# EAGLE board ControlModule-pan2 (EAGLE 7.2.0), part 9 of 9
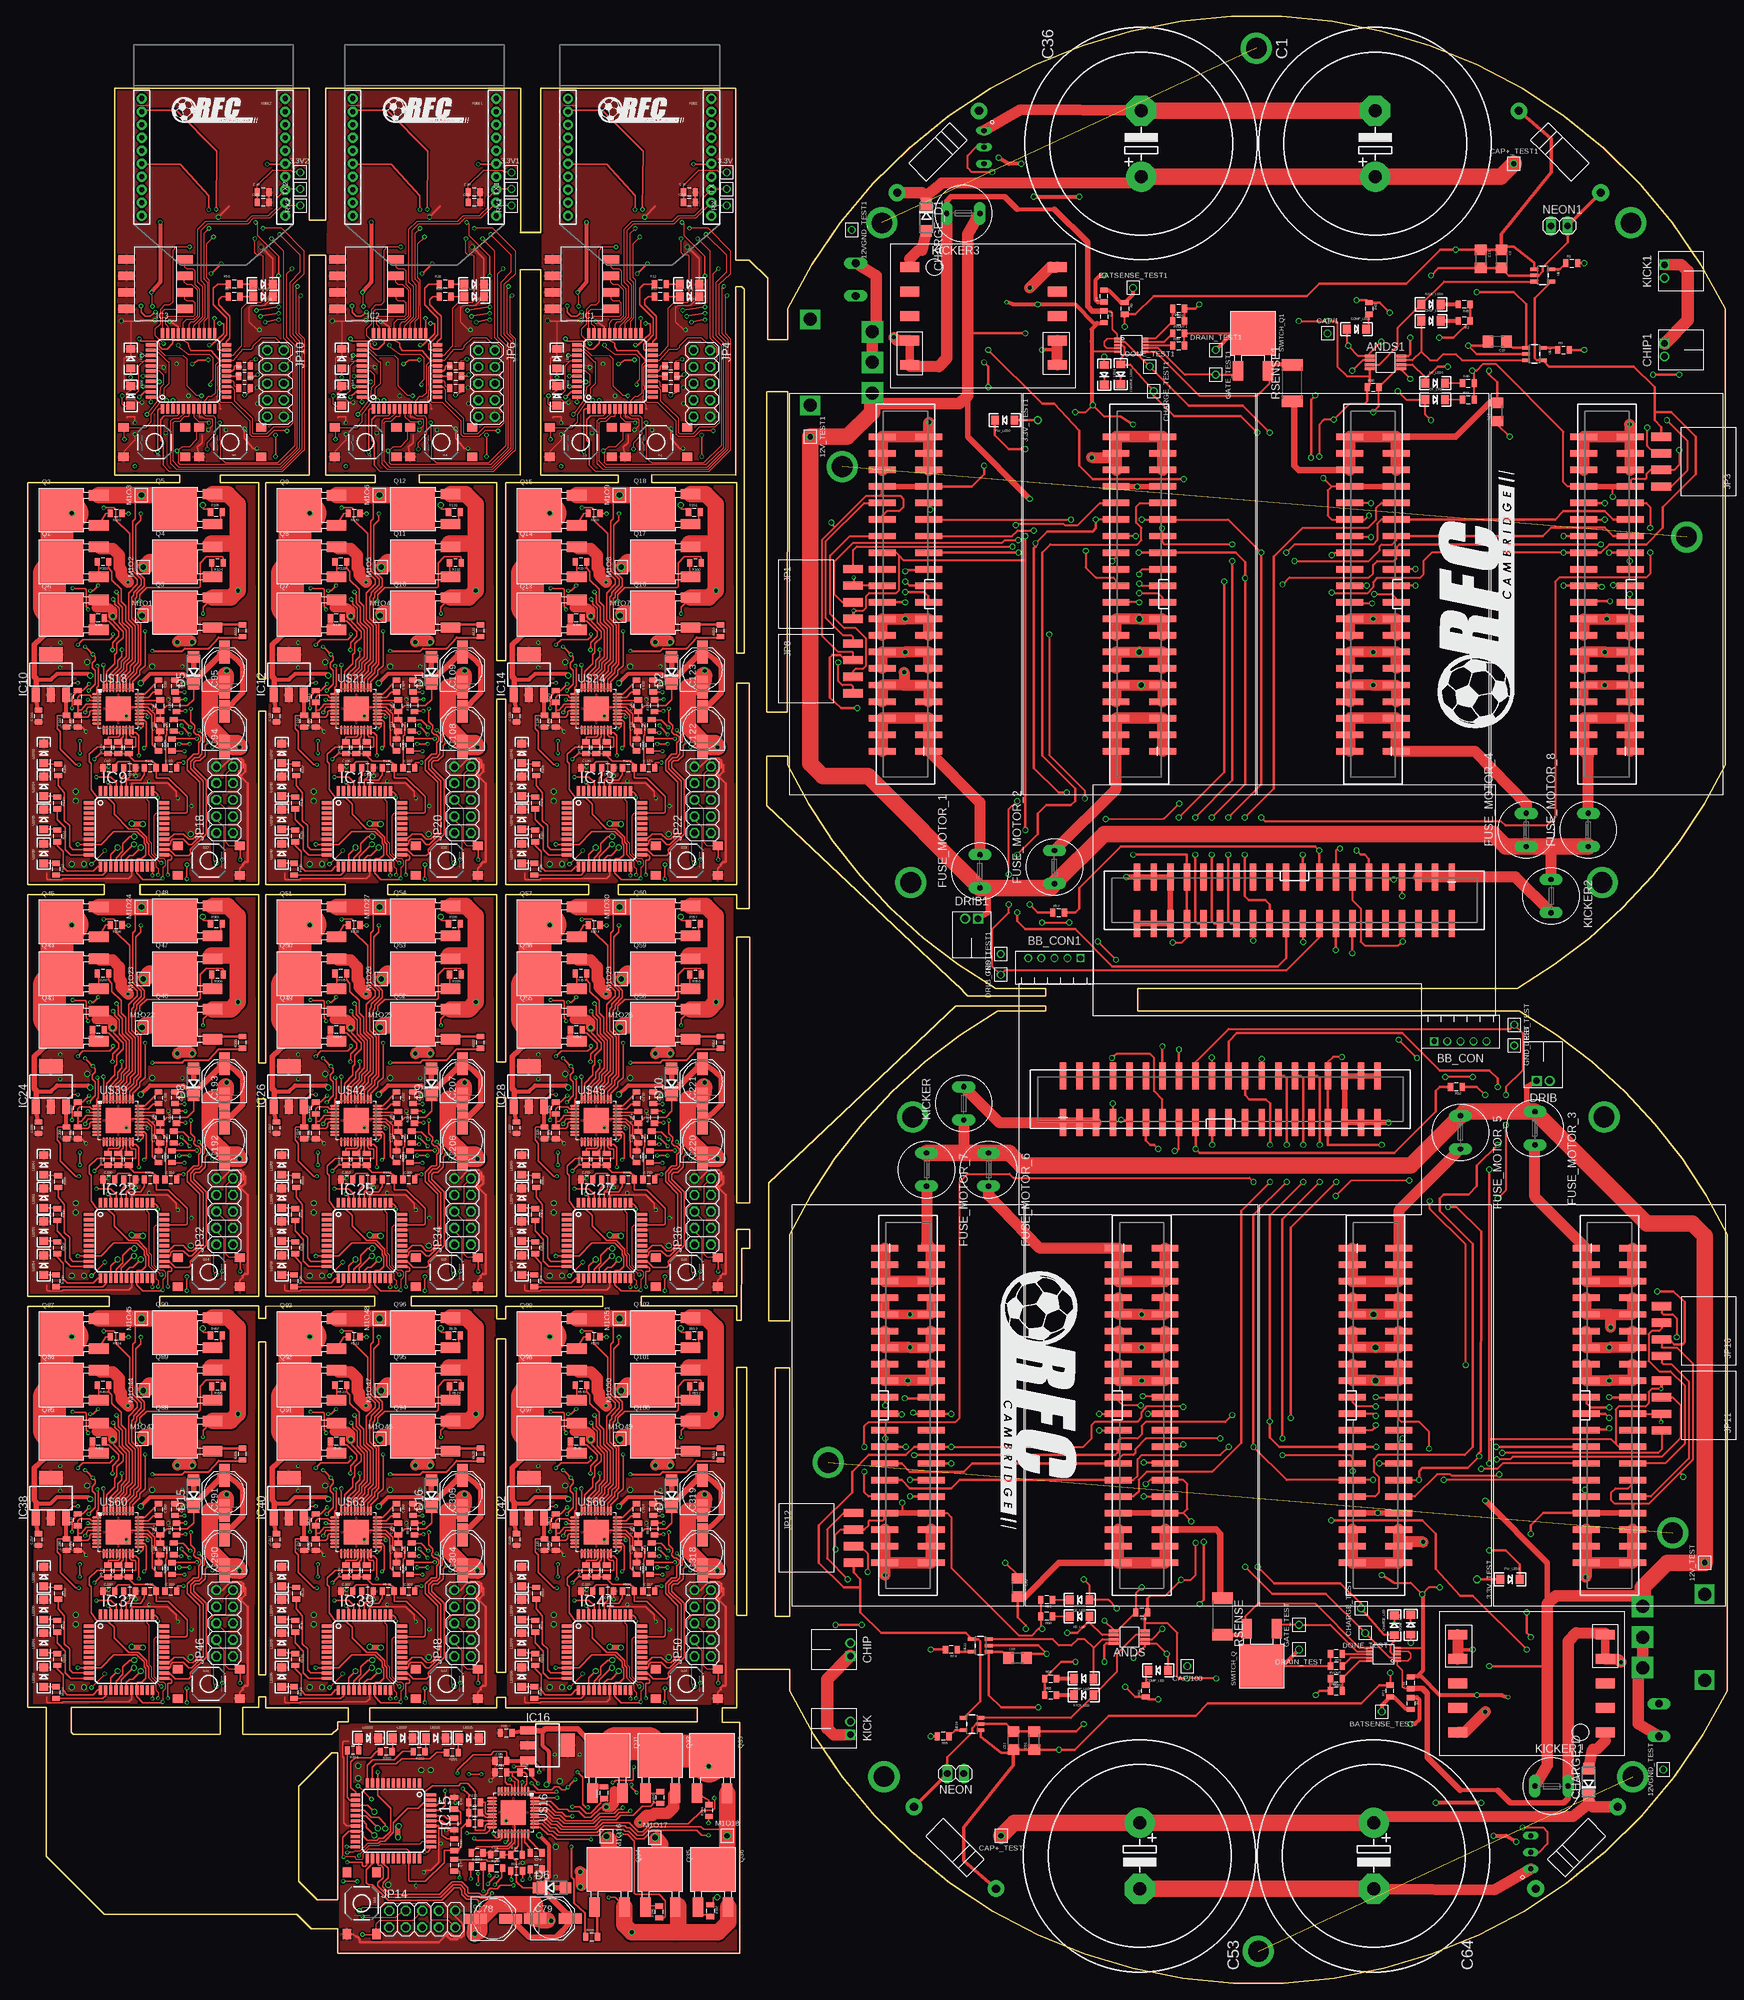
[diagram p0: board, top side]
## Tracks (layer width: path | path; a pad name or v marks a point on that pad's centre or on a via) (continued)
SCK10  (via drill 0.6) (continued)
  Bottom 0.254: R155.1 98.53,181.61 98.53,182.26 98.1,182.69 98.09,182.69 98.09,186.71 98.55,187.17 100.38,187.17 101.01,186.53 101.01,178.17 100.01,177.17 97.2,177.17 96.25,176.22 91.33,176.22 91.11,176 91.11,174.7 v90.68,174.27
SCK15  (via drill 0.6)
  Top 0.254: IC23.17 15.13,109.35 15.63,109.85 16.13,109.85 v17.34,111.08
  Bottom 0.254: R295.1 25.18,118.43 25.18,119.08 24.76,119.5 24.75,119.5 24.75,123.53 25.21,123.99 27.04,123.99 27.67,123.35 27.67,114.99 26.67,113.99 23.86,113.99 22.91,113.03 17.99,113.03 17.77,112.82 17.77,111.51 v17.34,111.08
SCK16  (via drill 0.6)
  Top 0.254: IC25.17 51.64,109.35 52.14,109.85 52.65,109.85 v53.85,111.08
  Bottom 0.254: R323.1 61.7,118.43 61.7,119.08 61.27,119.5 61.26,119.5 61.26,123.53 61.72,123.99 63.55,123.99 64.18,123.35 64.18,114.99 63.18,113.99 60.37,113.99 59.42,113.03 54.5,113.03 54.28,112.82 54.28,111.51 v53.85,111.08
SCK17  (via drill 0.6)
  Top 0.254: IC27.17 88.47,109.35 88.97,109.85 89.48,109.85 v90.68,111.08
  Bottom 0.254: R351.1 98.53,118.43 98.53,119.08 98.1,119.5 98.09,119.5 98.09,123.53 98.55,123.99 100.38,123.99 101.01,123.35 101.01,114.99 100.01,113.99 97.2,113.99 96.25,113.03 91.33,113.03 91.11,112.82 91.11,111.51 v90.68,111.08
SCK22  (via drill 0.6)
  Top 0.254: IC37.17 15.13,46.16 15.63,46.67 16.13,46.67 v17.34,47.9
  Bottom 0.254: R491.1 25.18,55.25 25.18,55.89 24.76,56.32 24.75,56.32 24.75,60.34 25.21,60.8 27.04,60.8 27.67,60.17 27.67,51.81 26.67,50.8 23.86,50.8 22.91,49.85 17.99,49.85 17.77,49.63 17.77,48.33 v17.34,47.9
SCK23  (via drill 0.6)
  Top 0.254: IC39.17 51.64,46.16 52.14,46.67 52.65,46.67 v53.85,47.9
  Bottom 0.254: R519.1 61.7,55.25 61.7,55.89 61.27,56.32 61.26,56.32 61.26,60.34 61.72,60.8 63.55,60.8 64.18,60.17 64.18,51.81 63.18,50.8 60.37,50.8 59.42,49.85 54.5,49.85 54.28,49.63 54.28,48.33 v53.85,47.9
SCK24  (via drill 0.6)
  Top 0.254: IC41.17 88.47,46.16 88.97,46.67 89.48,46.67 v90.68,47.9
  Bottom 0.254: R547.1 98.53,55.25 98.53,55.89 98.1,56.32 98.09,56.32 98.09,60.34 98.55,60.8 100.38,60.8 101.01,60.17 101.01,51.81 100.01,50.8 97.2,50.8 96.25,49.85 91.33,49.85 91.11,49.63 91.11,48.33 v90.68,47.9
SS1  (via drill 0.6)
  Top 0.305: MOTOR1.31 239.09,75.49 v238.85,75.73 | v220.6,94.86 220.6,113.35 215.12,118.83 v215.12,120.02 | v211.94,123.2 202.97,123.12 v200.67,120.82 | v181.62,142.09 181.62,139.31 COM_BOARD.20
  Bottom 0.305: v238.85,75.73 238.38,76.21 232.74,76.21 224.96,83.99 224.96,91.68 220.6,96.05 v220.6,94.86 | v215.12,120.02 v211.94,123.2 | v200.67,120.82 200.67,120.97 199.4,122.24 199.4,141.61 198.37,142.64 182.18,142.64 v181.62,142.09
SS2  (via drill 0.6)
  Top 0.305: 220.44,81.05 207.1,81.05 206.47,80.41 206.47,78.51 207.26,77.71 207.26,75.25 206.71,74.7 MOTOR2.31
  Top 0.406: 220.44,81.05 221.71,82.32 221.71,113.43 216.63,118.51 216.63,120.42 217.26,121.05 221.07,121.05 222.34,122.32 222.34,125.5 v225.52,128.67 | v225.52,137.56 225.52,138.83 224.25,140.1 216.63,140.1 210.91,145.82 185.51,145.82 184.24,144.55 COM_BOARD.22
  Bottom 0.406: v225.52,128.67 v225.52,137.56
SS3  (via drill 0.6)
  Top 0.305: MOTOR3.31 169.64,74.7 170.43,75.41 170.43,77.27 171.67,78.51 181.69,78.51 181.93,78.74 186.15,82.95
  Top 0.406: 186.15,82.95 186.15,118.51 v190.59,122.96 | v190.59,128.67 190.59,135.02 189.96,135.66 187.42,135.66 186.78,136.29 COM_BOARD.24
  Bottom 0.406: v190.59,122.96 v190.59,128.67
SS4  (via drill 0.6)
  Top 0.305: MOTOR4.31 129,74.7 128.36,75.33 v128.36,78.51 | v128.36,82.32 128.36,85.49 129,86.13 142.33,86.13 142.97,86.76 142.97,122.96 144.24,124.23 150.59,124.23 151.22,123.59 187.42,123.59 v188.05,122.96
  Top 0.406: COM_BOARD.26 v189.32,141.85
  Bottom 0.305: v128.36,78.51 v128.36,82.32
  Bottom 0.406: v189.32,141.85 189.32,135.02 188.05,133.75 v188.05,122.96
SS5  (via drill 0.6)
  Top 0.305: MOTOR7.31 207.67,227.16 206.88,226.45 206.88,224.59 205.64,223.35 195.62,223.35 195.38,223.12 191.16,218.91
  Top 0.406: 191.16,218.91 191.16,183.35 v186.72,178.9 | v186.72,173.19 186.72,166.84 187.35,166.2 189.89,166.2 190.53,165.57 COM_BOARD1.24
  Bottom 0.406: v186.72,178.9 v186.72,173.19
SS6  (via drill 0.6)
  Top 0.305: MOTOR8.31 248.31,227.16 248.95,226.53 v248.95,223.35 | v248.95,219.54 248.95,216.37 248.31,215.73 234.98,215.73 234.34,215.1 234.34,178.9 233.07,177.63 226.72,177.63 226.09,178.27 189.89,178.27 v189.26,178.9
  Top 0.406: COM_BOARD1.26 v187.99,160.01
  Bottom 0.305: v248.95,223.35 v248.95,219.54
  Bottom 0.406: v187.99,160.01 187.99,166.84 189.26,168.11 v189.26,178.9
SS7  (via drill 0.6)
  Top 0.305: MOTOR5.31 138.22,226.37 v138.46,226.13 | v156.71,207 156.71,188.51 162.19,183.03 v162.19,181.84 | v165.37,178.66 174.34,178.74 v176.64,181.05 | v195.69,159.77 195.69,162.55 COM_BOARD1.20
  Bottom 0.305: v138.46,226.13 138.93,225.65 144.57,225.65 152.35,217.88 152.35,210.18 156.71,205.81 v156.71,207 | v162.19,181.84 v165.37,178.66 | v176.64,181.05 176.64,180.89 177.91,179.62 177.91,160.25 178.94,159.22 195.13,159.22 v195.69,159.77
SS8  (via drill 0.6)
  Top 0.305: 156.87,220.81 170.21,220.81 170.84,221.45 170.84,223.35 170.05,224.15 170.05,226.61 170.61,227.16 MOTOR6.31
  Top 0.406: 156.87,220.81 155.6,219.54 155.6,188.43 160.68,183.35 160.68,181.44 160.05,180.81 156.24,180.81 154.97,179.54 154.97,176.36 v151.79,173.19 | v151.79,164.3 151.79,163.03 153.06,161.76 160.68,161.76 166.4,156.04 191.8,156.04 193.07,157.31 COM_BOARD1.22
  Bottom 0.406: v151.79,173.19 v151.79,164.3
SS_1  (via drill 0.41 pad 0.25)
  Top 0.254: IC1.3 87.67,242.64 v87.68,242.93 | v93.51,262.36 93.53,262.36 v95.07,263.9
  Bottom 0.152: 87.69,236.86 88.07,236.49 88.07,236.48 105.17,236.48
  Bottom 0.178: v87.68,242.93 87.69,236.86 | 104.68,261.86 103.25,260.44 103.25,254.4 106.22,251.43 106.22,237.53 105.17,236.48
  Bottom 0.254: 104.68,261.86 104.68,262.66 104.36,262.98 101.18,262.98 99.91,261.71 95.28,261.71 95.01,261.98 95.01,263.83 v95.07,263.9 | v93.51,262.36 90.63,262.34 JP2.20
SS_2  (via drill 0.41 pad 0.25)
  Top 0.254: IC1.2 86.9,242.66 86.87,242.68 86.63,242.95 v86.68,242.93 | v101.82,254.92 103.83,255.36 v103.9,255.29
  Bottom 0.178: v86.68,242.93 86.9,242.66 87.21,242.18 87.21,236.62 87.69,236.15 105.31,236.15 106.58,237.41 106.58,251.55 103.72,254.4 103.72,255.2 v103.9,255.29
  Bottom 0.254: v101.82,254.92 102.14,255.67 102.14,260.59 101.66,261.07 94.04,261.07 93.09,260.12 JP2.22
SS_3  (via drill 0.41 pad 0.25)
  Top 0.254: IC1.1 85.54,241.62 85.31,241.39 v85.31,235.04 | v103.91,257.27 102.08,256.96 v100.49,256.73
  Bottom 0.178: v85.31,235.04 85.79,235.04 86.9,233.92 86.9,233.13 87.21,232.81 100.87,232.81 103.09,235.04 105.15,235.04 107.31,237.2 107.31,252.08 104.99,254.4 104.99,256.15 v103.91,257.27
  Bottom 0.254: v100.49,256.73 100.07,256.63 94.2,256.63 93.25,257.58 JP2.24
SS_4  (via drill 0.41 pad 0.25)
  Top 0.254: IC1.44 84.27,242.89 v84.28,242.66 | v93.24,251.41 93.58,251.42 95.47,253.13 95.47,254.72 v94.79,254.72
  Bottom 0.152: v84.28,242.66 84.99,242.66 86.04,243.8 87.84,243.8 87.89,243.85 87.89,245.7 | 87.85,250.59 88.01,250.75 92.62,250.75 v93.24,251.41
  Bottom 0.178: v94.79,254.72 92.93,254.72 92.61,255.04 JP2.26 | 87.89,245.7 88.69,246.51 92.4,246.51 92.7,246.81 92.7,248 92.24,248.46 91.54,249.15 88.14,249.15 87.86,249.43 87.86,250.58 87.85,250.59
SS_5  (via drill 0.41 pad 0.25)
  Top 0.254: IC2.3 54.65,242.64 v54.66,242.93 | v60.49,262.36 60.51,262.36 v62.05,263.9
  Bottom 0.152: 54.67,236.86 55.05,236.49 55.05,236.48 72.15,236.48
  Bottom 0.178: v54.66,242.93 54.67,236.86 | 71.66,261.86 70.23,260.44 70.23,254.4 73.2,251.43 73.2,237.53 72.15,236.48
  Bottom 0.254: 71.66,261.86 71.66,262.66 71.34,262.98 68.16,262.98 66.89,261.71 62.26,261.71 61.99,261.98 61.99,263.83 v62.05,263.9 | v60.49,262.36 57.61,262.34 JP5.20
SS_6  (via drill 0.41 pad 0.25)
  Top 0.254: IC2.2 53.88,242.66 53.85,242.68 53.61,242.95 v53.66,242.93 | v68.8,254.92 70.81,255.36 v70.88,255.29
  Bottom 0.178: v53.66,242.93 53.88,242.66 54.19,242.18 54.19,236.62 54.67,236.15 72.29,236.15 73.56,237.41 73.56,251.55 70.7,254.4 70.7,255.2 v70.88,255.29
  Bottom 0.254: v68.8,254.92 69.12,255.67 69.12,260.59 68.64,261.07 61.02,261.07 60.07,260.12 JP5.22
SS_7  (via drill 0.41 pad 0.25)
  Top 0.254: IC2.1 52.52,241.62 52.29,241.39 v52.29,235.04 | v70.89,257.27 69.06,256.96 v67.47,256.73
  Bottom 0.178: v52.29,235.04 52.77,235.04 53.88,233.92 53.88,233.13 54.19,232.81 67.85,232.81 70.07,235.04 72.13,235.04 74.29,237.2 74.29,252.08 71.97,254.4 71.97,256.15 v70.89,257.27
  Bottom 0.254: v67.47,256.73 67.05,256.63 61.18,256.63 60.23,257.58 JP5.24
SS_8  (via drill 0.41 pad 0.25)
  Top 0.254: IC2.44 51.25,242.89 v51.26,242.66 | v60.22,251.41 60.56,251.42 62.45,253.13 62.45,254.72 v61.77,254.72
  Bottom 0.152: v51.26,242.66 51.97,242.66 53.02,243.8 54.82,243.8 54.87,243.85 54.87,245.7 | 54.83,250.59 54.99,250.75 59.6,250.75 v60.22,251.41
  Bottom 0.178: v61.77,254.72 59.91,254.72 59.59,255.04 JP5.26 | 54.87,245.7 55.67,246.51 59.38,246.51 59.68,246.81 59.68,248 59.22,248.46 58.52,249.15 55.12,249.15 54.84,249.43 54.84,250.58 54.83,250.59
SS_9  (via drill 0.41 pad 0.25)
  Top 0.254: IC3.3 22.27,242.64 v22.27,242.93 | v28.11,262.36 28.13,262.36 v29.67,263.9
  Bottom 0.152: 22.29,236.86 22.66,236.49 22.66,236.48 39.77,236.48
  Bottom 0.178: v22.27,242.93 22.29,236.86 | 39.27,261.86 37.84,260.44 37.84,254.4 40.82,251.43 40.82,237.53 39.77,236.48
  Bottom 0.254: 39.27,261.86 39.27,262.66 38.95,262.98 35.78,262.98 34.51,261.71 29.88,261.71 29.6,261.98 29.6,263.83 v29.67,263.9 | v28.11,262.36 25.23,262.34 JP9.20
SS_10  (via drill 0.41 pad 0.25)
  Top 0.254: IC3.2 21.49,242.66 21.47,242.68 21.23,242.95 v21.28,242.93 | v36.41,254.92 38.43,255.36 v38.49,255.29
  Bottom 0.178: v21.28,242.93 21.49,242.66 21.81,242.18 21.81,236.62 22.29,236.15 39.91,236.15 41.17,237.41 41.17,251.55 38.32,254.4 38.32,255.2 v38.49,255.29
  Bottom 0.254: v36.41,254.92 36.73,255.67 36.73,260.59 36.26,261.07 28.64,261.07 27.68,260.12 JP9.22
SS_11  (via drill 0.41 pad 0.25)
  Top 0.254: IC3.1 20.14,241.62 19.9,241.39 v19.9,235.04 | v38.5,257.27 36.67,256.96 v35.09,256.73
  Bottom 0.178: v19.9,235.04 20.38,235.04 21.49,233.92 21.49,233.13 21.81,232.81 35.46,232.81 37.68,235.04 39.75,235.04 41.91,237.2 41.91,252.08 39.59,254.4 39.59,256.15 v38.5,257.27
  Bottom 0.254: v35.09,256.73 34.67,256.63 28.79,256.63 27.84,257.58 JP9.24
SS_12  (via drill 0.41 pad 0.25)
  Top 0.254: IC3.44 18.87,242.89 v18.87,242.66 | v27.83,251.41 28.17,251.42 30.06,253.13 30.06,254.72 v29.39,254.72
  Bottom 0.152: v18.87,242.66 19.59,242.66 20.63,243.8 22.44,243.8 22.49,243.85 22.49,245.7 | 22.44,250.59 22.6,250.75 27.21,250.75 v27.83,251.41
  Bottom 0.178: v29.39,254.72 27.52,254.72 27.21,255.04 JP9.26 | 22.49,245.7 23.29,246.51 26.99,246.51 27.29,246.81 27.29,248 26.83,248.46 26.14,249.15 22.73,249.15 22.45,249.43 22.45,250.58 22.44,250.59
SS_M  (via drill 0.6)
  Top 0.254: IC9.14 12.73,173.23 v13.77,174.27
  Bottom 0.152: v13.77,174.27 13.77,174.25 13.78,174.24
  Bottom 0.254: R121.1 24.76,178.6 23.54,178.6 23.38,178.76 16.88,178.76 16.88,177.49 16.42,177.04 15.98,177.04 15.5,176.56 15.5,174.79 15.35,174.64 14.18,174.64 13.78,174.24 13.74,174.19
SS_M1  (via drill 0.6)
  Top 0.254: IC11.14 49.24,173.23 v50.28,174.27
  Bottom 0.152: v50.28,174.27 50.28,174.25 50.29,174.24
  Bottom 0.254: R149.1 61.27,178.6 60.06,178.6 59.9,178.76 53.39,178.76 53.39,177.49 52.94,177.04 52.49,177.04 52.02,176.56 52.02,174.79 51.86,174.64 50.69,174.64 50.29,174.24 50.25,174.19
SS_M2  (via drill 0.6)
  Top 0.254: IC13.14 86.07,173.23 v87.11,174.27
  Bottom 0.152: v87.11,174.27 87.11,174.25 87.12,174.24
  Bottom 0.254: R177.1 98.1,178.6 96.89,178.6 96.73,178.76 90.22,178.76 90.22,177.49 89.77,177.04 89.32,177.04 88.85,176.56 88.85,174.79 88.69,174.64 87.52,174.64 87.12,174.24 87.08,174.19
SS_M5  (via drill 0.6)
  Top 0.254: IC15.14 52.14,27.33 v53.18,26.29
  Bottom 0.152: v53.18,26.29 53.16,26.29 53.15,26.28
  Bottom 0.254: R213.1 57.51,15.3 57.51,16.51 57.67,16.67 57.67,23.18 56.4,23.18 55.95,23.63 55.95,24.08 55.47,24.55 53.7,24.55 53.55,24.71 53.55,25.88 53.15,26.28 53.11,26.32
SS_M7  (via drill 0.6)
  Top 0.254: IC23.14 12.73,110.05 v13.77,111.09
  Bottom 0.152: v13.77,111.09 13.77,111.07 13.78,111.06
  Bottom 0.254: R317.1 24.76,115.41 23.54,115.41 23.38,115.57 16.88,115.57 16.88,114.3 16.42,113.85 15.98,113.85 15.5,113.38 15.5,111.61 15.35,111.46 14.18,111.46 13.78,111.06 13.74,111.01
SS_M8  (via drill 0.6)
  Top 0.254: IC25.14 49.24,110.05 v50.28,111.09
  Bottom 0.152: v50.28,111.09 50.28,111.07 50.29,111.06
  Bottom 0.254: R345.1 61.27,115.41 60.06,115.41 59.9,115.57 53.39,115.57 53.39,114.3 52.94,113.85 52.49,113.85 52.02,113.38 52.02,111.61 51.86,111.46 50.69,111.46 50.29,111.06 50.25,111.01
SS_M9  (via drill 0.6)
  Top 0.254: IC27.14 86.07,110.05 v87.11,111.09
  Bottom 0.152: v87.11,111.09 87.11,111.07 87.12,111.06
  Bottom 0.254: R373.1 98.1,115.41 96.89,115.41 96.73,115.57 90.22,115.57 90.22,114.3 89.77,113.85 89.32,113.85 88.85,113.38 88.85,111.61 88.69,111.46 87.52,111.46 87.12,111.06 87.08,111.01
SS_M14  (via drill 0.6)
  Top 0.254: IC37.14 12.73,46.87 v13.77,47.9
  Bottom 0.152: v13.77,47.9 13.77,47.89 13.78,47.87
  Bottom 0.254: R513.1 24.76,52.23 23.54,52.23 23.38,52.39 16.88,52.39 16.88,51.12 16.42,50.67 15.98,50.67 15.5,50.2 15.5,48.43 15.35,48.27 14.18,48.27 13.78,47.87 13.74,47.83
SS_M15  (via drill 0.6)
  Top 0.254: IC39.14 49.24,46.87 v50.28,47.9
  Bottom 0.152: v50.28,47.9 50.28,47.89 50.29,47.87
  Bottom 0.254: R541.1 61.27,52.23 60.06,52.23 59.9,52.39 53.39,52.39 53.39,51.12 52.94,50.67 52.49,50.67 52.02,50.2 52.02,48.43 51.86,48.27 50.69,48.27 50.29,47.87 50.25,47.83
SS_M16  (via drill 0.6)
  Top 0.254: IC41.14 86.07,46.87 v87.11,47.9
  Bottom 0.152: v87.11,47.9 87.11,47.89 87.12,47.87
  Bottom 0.254: R569.1 98.1,52.23 96.89,52.23 96.73,52.39 90.22,52.39 90.22,51.12 89.77,50.67 89.32,50.67 88.85,50.2 88.85,48.43 88.69,48.27 87.52,48.27 87.12,47.87 87.08,47.83
TO_DRIB
  Bottom 0.61: DRIB.2 233.5,136.56 234.41,135.66 DRIB_TRAN.DRAIN
TO_DRIB1
  Bottom 0.61: DRIB1.2 143.81,165.3 142.9,166.2 DRIB_TRAN1.DRAIN
TO_NEON
  Bottom 0.61: R77.1 144.87,33.42 NEON.1
TO_NEON1
  Bottom 0.61: R37.1 232.44,268.44 NEON1.1
TRANS_OUT
  Top 1.676: CHARGE_D.A 240.12,35.96 240.76,35.96 242.03,37.23 U$33.P$1
TRANS_OUT1
  Top 1.676: CHARGE_D1.A 137.19,265.9 136.55,265.9 135.28,264.63 U$2.P$1
TSENSE1  (via drill 0.3)
  Top 0.254: IC9.22 19.13,170.14 v19.1,170.02
  Bottom 0.254: v19.1,170.02 19.1,170.34 2.43,170.34 1.32,171.45 1.32,203.44 U$17.2
TSENSE2  (via drill 0.3)
  Top 0.254: IC11.22 55.64,170.14 v55.61,170.02
  Bottom 0.254: v55.61,170.02 55.61,170.34 38.94,170.34 37.83,171.45 37.83,203.44 U$20.2
TSENSE3  (via drill 0.3)
  Top 0.254: IC13.22 92.47,170.14 v92.44,170.02
  Bottom 0.254: v92.44,170.02 92.44,170.34 75.77,170.34 74.66,171.45 74.66,203.44 U$23.2
TSENSE6  (via drill 0.3)
  Top 0.254: IC15.22 49.05,20.93 v48.94,20.96
  Bottom 0.254: v48.94,20.96 49.25,20.96 49.25,37.63 50.36,38.74 82.36,38.74 U$15.2
TSENSE8  (via drill 0.3)
  Top 0.254: IC23.22 19.13,106.95 v19.1,106.84
  Bottom 0.254: v19.1,106.84 19.1,107.16 2.43,107.16 1.32,108.27 1.32,140.26 U$38.2
TSENSE9  (via drill 0.3)
  Top 0.254: IC25.22 55.64,106.95 v55.61,106.84
  Bottom 0.254: v55.61,106.84 55.61,107.16 38.94,107.16 37.83,108.27 37.83,140.26 U$41.2
TSENSE10  (via drill 0.3)
  Top 0.254: IC27.22 92.47,106.95 v92.44,106.84
  Bottom 0.254: v92.44,106.84 92.44,107.16 75.77,107.16 74.66,108.27 74.66,140.26 U$44.2
TSENSE15  (via drill 0.3)
  Top 0.254: IC37.22 19.13,43.77 v19.1,43.66
  Bottom 0.254: v19.1,43.66 19.1,43.98 2.43,43.98 1.32,45.09 1.32,77.08 U$59.2
TSENSE16  (via drill 0.3)
  Top 0.254: IC39.22 55.64,43.77 v55.61,43.66
  Bottom 0.254: v55.61,43.66 55.61,43.98 38.94,43.98 37.83,45.09 37.83,77.08 U$62.2
TSENSE17  (via drill 0.3)
  Top 0.254: IC41.22 92.47,43.77 v92.44,43.66
  Bottom 0.254: v92.44,43.66 92.44,43.98 75.77,43.98 74.66,45.09 74.66,77.08 U$65.2
TX
  Top 0.178: TX.P$1 105.01,275.36 XBEE.3 103.57,273.92 103.57,272.5 102.61,271.55 102.32,271.26 99.81,271.26 98.96,270.41 92.74,270.41 91.5,269.17 91.5,261.08 92.15,260.43 92.15,255.69 90.87,254.41 IC1.27
TX1
  Top 0.178: TX1.P$1 71.99,275.36 XBEE1.3 70.55,273.92 70.55,272.5 69.59,271.55 69.3,271.26 66.79,271.26 65.94,270.41 59.72,270.41 58.48,269.17 58.48,261.08 59.13,260.43 59.13,255.69 57.85,254.41 IC2.27
TX2
  Top 0.178: TX2.P$1 39.6,275.36 XBEE2.3 38.16,273.92 38.16,272.5 37.21,271.55 36.92,271.26 34.41,271.26 33.56,270.41 27.33,270.41 26.1,269.17 26.1,261.08 26.75,260.43 26.75,255.69 25.47,254.41 IC3.27
UNBUF_DIVCAP
  Bottom 0.305: 177.46,40.9 CAP_SENSE_BUF.3 | 178.58,39.77 CLAMP2.C
  Bottom 0.61: R69.1 R70.2 171.42,40.78 CLAMP1.A 177.46,40.9 178.58,39.77
UNBUF_DIVCAP1
  Bottom 0.305: 199.85,260.96 CAP_SENSE_BUF1.3 | 198.73,262.09 CLAMP4.C
  Bottom 0.61: R14.1 R15.2 205.89,261.08 CLAMP3.A 199.85,260.96 198.73,262.09
XBRST  (via drill 0.41)
  Top 0.178: v104.04,268.37 107.22,265.2 107.22,262.66 105.63,261.07 105.63,252.82 106.74,251.7 106.74,235.67 104.05,233.03 88.81,233.03 88.47,233.37 88.47,235.1 v88.28,235.15 89.12,235.83 90.23,235.83 91.34,236.94 91.34,238.71 S1.4
  Top 0.254: v102.14,279.17 104.82,279.17 XBEE.5
  Bottom 0.254: v104.04,268.37 103.25,269.17 103.25,277.9 v102.14,279.17 | R21.2 88.09,234 88.09,234.88 v88.28,235.15
XBRST1  (via drill 0.41)
  Top 0.178: v71.02,268.37 74.2,265.2 74.2,262.66 72.61,261.07 72.61,252.82 73.72,251.7 73.72,235.67 71.03,233.03 55.79,233.03 55.45,233.37 55.45,235.1 v55.26,235.15 56.1,235.83 57.21,235.83 58.32,236.94 58.32,238.71 S4.4
  Top 0.254: v69.12,279.17 71.8,279.17 XBEE1.5
  Bottom 0.254: v71.02,268.37 70.23,269.17 70.23,277.9 v69.12,279.17 | R33.2 55.07,234 55.07,234.88 v55.26,235.15
XBRST2  (via drill 0.41)
  Top 0.178: v38.64,268.37 41.81,265.2 41.81,262.66 40.22,261.07 40.22,252.82 41.34,251.7 41.34,235.67 38.64,233.03 23.4,233.03 23.06,233.37 23.06,235.1 v22.88,235.15 23.71,235.83 24.83,235.83 25.94,236.94 25.94,238.71 S6.4
  Top 0.254: v36.73,279.17 39.41,279.17 XBEE2.5
  Bottom 0.254: v38.64,268.37 37.84,269.17 37.84,277.9 v36.73,279.17 | R61.2 22.68,234 22.68,234.88 v22.88,235.15

## Text on the board
Dimension: MOTOR BOARD DIMENSION
bPlace: C:/Users/JohnAlex/Downloads/1053199_481094518647458_1043735417_o.bmp | C:/Users/JohnAlex/Downloads/1053199_481094518647458_1043735417_o.bmp